# Altium PCB Standby_PS.PcbDoc (part 1 of 2)
Units mm, origin at the board's own origin, x right, y up, seen from the top; angles counter-clockwise.
Board outline 230 x 80 mm, 2 copper layers (Top Layer, Bottom Layer), stack 1.071 mm thick; 144 components, 68 nets, 334 pads, 84 vias.
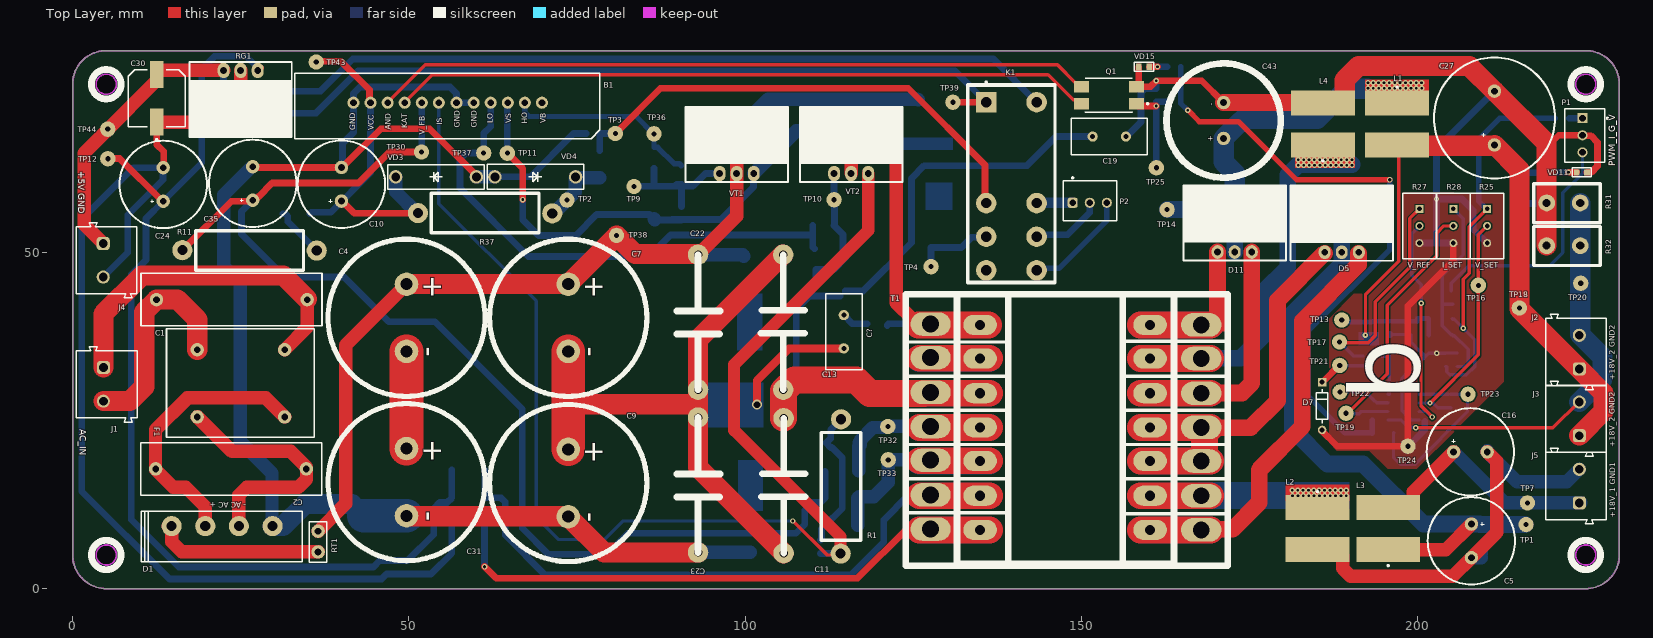
[diagram p0: Top Layer view]
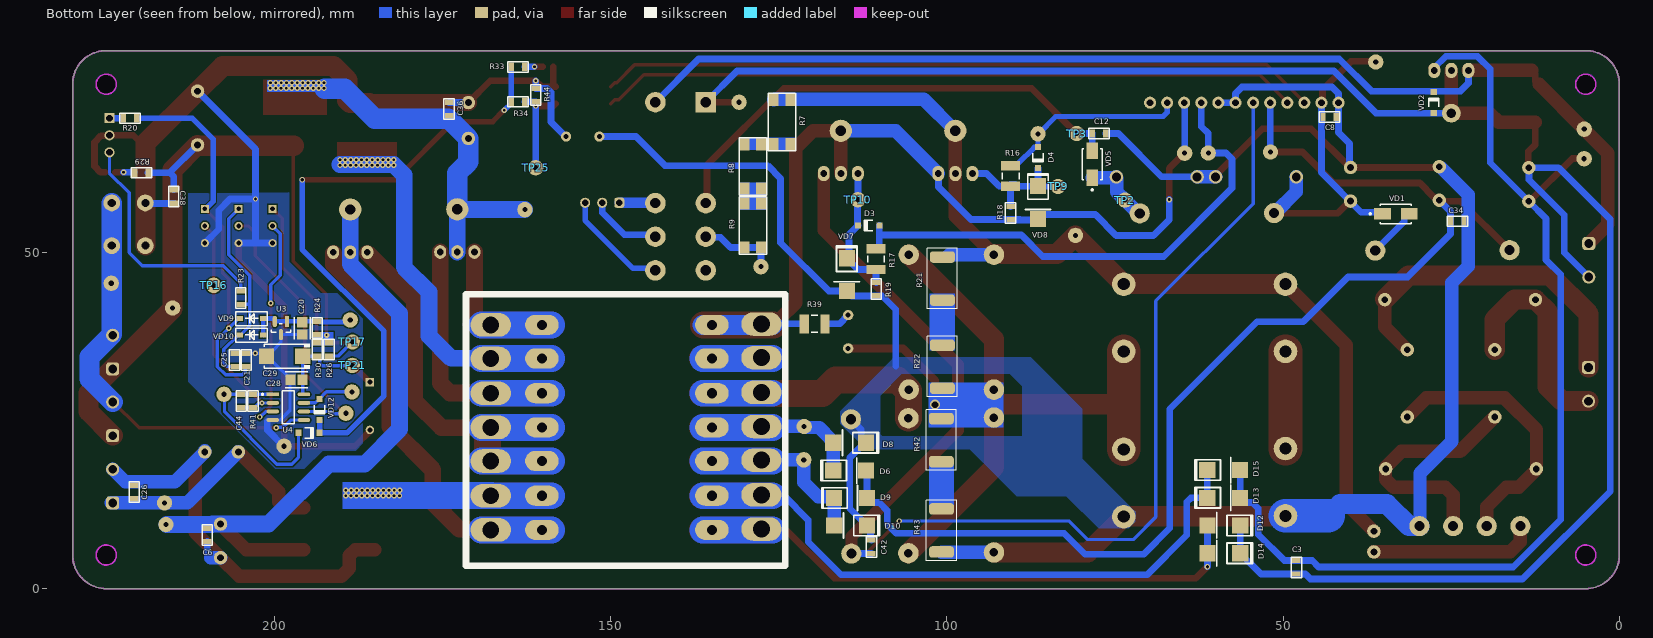
[diagram p1: Bottom Layer view, seen from below]
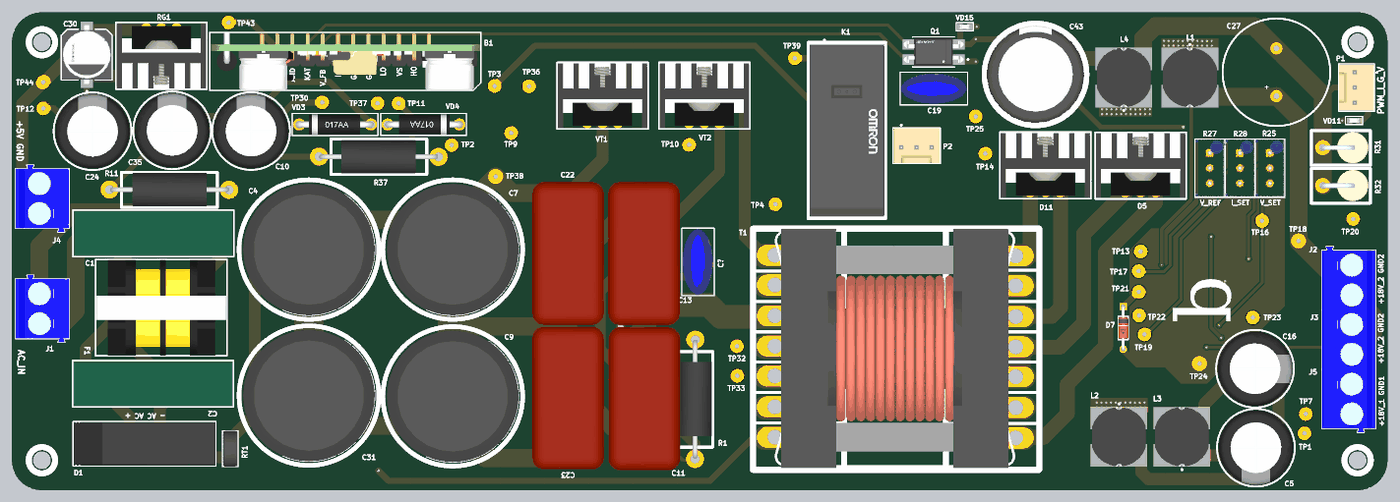
[diagram p3: 3D render of the assembled board from above, using the file's embedded part models]
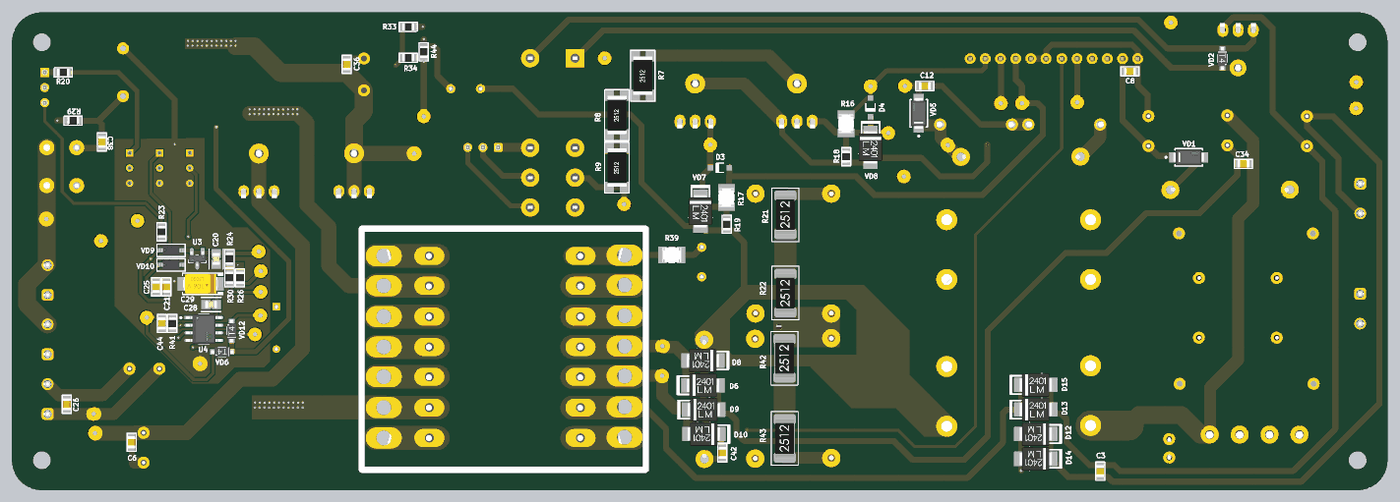
[diagram p4: 3D render of the assembled board from below, using the file's embedded part models]

## Layer stack, top to bottom
Top Solder: solder mask 0.0102, Solder Resist, Dk 3.5
Top Layer: signal copper 0.0356
Dielectric 1: dielectric 1, FR-4, Dk 4.8
Bottom Layer: signal copper 0.0356
Bottom Solder: solder mask 0.0102, Solder Resist, Dk 3.5

## Board outline
0,5 0,74.95 0,75 cw(c5,75) 5,80 225,80 cw(c225,75) 230,75 230,74.9 230,4.95 230,5 cw(c225,5) 225,0 5,0 cw(c5,5)
cut-out: 223.5,5 ccw(c225,5) 225,3.5 ccw(c225,5) 226.5,5 ccw(c225,5) 225,6.5 ccw(c225,5)
cut-out: 223.5,75 ccw(c225,75) 225,73.5 ccw(c225,75) 226.5,75 ccw(c225,75) 225,76.5 ccw(c225,75)
cut-out: 3.5,5 ccw(c5,5) 5,3.5 ccw(c5,5) 6.5,5 ccw(c5,5) 5,6.5 ccw(c5,5)
cut-out: 5,73.5 cw(c5,75) 3.5,75 cw(c5,75) 5,76.5 cw(c5,75) 6.5,75 cw(c5,75)

## Design rules (kind name [scope] priority, off if disabled: settings)
Clearance Clearance_1 [All vs InNet('GND_1')] p1: gap=0.2 ignorepadtopadclearanceinfootprint=FALSE
Clearance [All vs InNet('GND')] p2: gap=0.4 ignorepadtopadclearanceinfootprint=FALSE except(0.2: Arc-Hole SMDPad-SMDPad SMDPad-THPad SMDPad-Via SMDPad-Fill SMDPad-Poly SMDPad-Region SMDPad-Text SMDPad-Hole THPad-THPad THPad-Via THPad-Fill THPad-Poly THPad-Region THPad-Text THPad-Hole Text-Text Text-Hole)
ComponentClearance [All] p1: gap=-3 collisioncheckmode=3 verticalgap=0.254 showdistances=FALSE
DiffPairsRouting [All] p1: maxlimit=0.254 minlimit=0.254 mostfreqgap=0.254 substack1={A23D90DD-733B-49C5-8102-56B3D284E3A0} toplayer_{a23d90dd-733b-49c5-8102-56b3d284e3a0}_minwidth=0.381 toplayer_{a23d90dd-733b-49c5-8102-56b3d284e3a0}_maxwidth=0.381 toplayer_{a23d90dd-733b-49c5-8102-56b3d284e3a0}_prefwidth=0.381 bottomlayer_{a23d90dd-733b-49c5-8102-56b3d284e3a0}_minwidth=0.381 bottomlayer_{a23d90dd-733b-49c5-8102-56b3d284e3a0}_maxwidth=0.381 bottomlayer_{a23d90dd-733b-49c5-8102-56b3d284e3a0}_prefwidth=0.381 toplayer_minwidth=0.381 toplayer_maxwidth=0.381 toplayer_prefwidth=0.381 bottomlayer_minwidth=0.381 bottomlayer_maxwidth=0.381 bottomlayer_prefwidth=0.381 substack2={0B3DB408-A969-412D-8C07-BA8AE97219D9} toplayer_{0b3db408-a969-412d-8c07-ba8ae97219d9}_minwidth=0.381 toplayer_{0b3db408-a969-412d-8c07-ba8ae97219d9}_maxwidth=0.381 toplayer_{0b3db408-a969-412d-8c07-ba8ae97219d9}_prefwidth=0.381 bottomlayer_{0b3db408-a969-412d-8c07-ba8ae97219d9}_minwidth=0.381 bottomlayer_{0b3db408-a969-412d-8c07-ba8ae97219d9}_maxwidth=0.381 bottomlayer_{0b3db408-a969-412d-8c07-ba8ae97219d9}_prefwidth=0.381 substack3={378827E6-B38F-4565-9D2F-710D8D441C30} toplayer_{378827e6-b38f-4565-9d2f-710d8d441c30}_minwidth=0.381 toplayer_{378827e6-b38f-4565-9d2f-710d8d441c30}_maxwidth=0.381 toplayer_{378827e6-b38f-4565-9d2f-710d8d441c30}_prefwidth=0.381 bottomlayer_{378827e6-b38f-4565-9d2f-710d8d441c30}_minwidth=0.381 bottomlayer_{378827e6-b38f-4565-9d2f-710d8d441c30}_maxwidth=0.381 bottomlayer_{378827e6-b38f-4565-9d2f-710d8d441c30}_prefwidth=0.381 substack4={1E65D4A7-266F-4925-B814-5E9C4A66F8EE} toplayer_{1e65d4a7-266f-4925-b814-5e9c4a66f8ee}_minwidth=0.381 toplayer_{1e65d4a7-266f-4925-b814-5e9c4a66f8ee}_maxwidth=0.381 toplayer_{1e65d4a7-266f-4925-b814-5e9c4a66f8ee}_prefwidth=0.381 bottomlayer_{1e65d4a7-266f-4925-b814-5e9c4a66f8ee}_minwidth=0.381 bottomlayer_{1e65d4a7-266f-4925-b814-5e9c4a66f8ee}_maxwidth=0.381 bottomlayer_{1e65d4a7-266f-4925-b814-5e9c4a66f8ee}_prefwidth=0.381 substack5={93C5D03E-862D-45F8-9871-970EEA9B3F11} toplayer_{93c5d03e-862d-45f8-9871-970eea9b3f11}_minwidth=0.381 toplayer_{93c5d03e-862d-45f8-9871-970eea9b3f11}_maxwidth=0.381 toplayer_{93c5d03e-862d-45f8-9871-970eea9b3f11}_prefwidth=0.381 bottomlayer_{93c5d03e-862d-45f8-9871-970eea9b3f11}_minwidth=0.381 bottomlayer_{93c5d03e-862d-45f8-9871-970eea9b3f11}_maxwidth=0.381 bottomlayer_{93c5d03e-862d-45f8-9871-970eea9b3f11}_prefwidth=0.381 maxuncoupledlength=12.7
Height [All] p1: minheight=0 maxheight=50 prefheight=33
HoleSize [All] p1: absolutevalues=TRUE maxlimit=6 minlimit=0.01 maxpercent=80.000 minpercent=20.000
HoleToHoleClearance [All] p1: gap=0.1 allowstackedmicrovias=TRUE
MinimumSolderMaskSliver [All] p1: minsoldermaskwidth=0.1
PlaneClearance [All] p1: clearance=0.7
PlaneConnect [All] p1: planeconnectstyle=Direct reliefexpansion=0.5 reliefentries=4 reliefconductorwidth=0.5 reliefairgap=0.15
PolygonConnect VQFN20 [HasFootprint('VQFN20')] p1: connectstyle=Direct reliefconductorwidth=0.254 reliefentries=4 polygonreliefangle="90 Angle" airgapwidth=0.254
PolygonConnect [All] p2: connectstyle=Direct reliefconductorwidth=0.3 reliefentries=4 polygonreliefangle="90 Angle" airgapwidth=0.15
RoutingVias [All] p1: holewidth=0.1 width=0.1 viastyle="Through Hole" minholewidth=0 minwidth=0.3 maxholewidth=2 maxwidth=4
ShortCircuit [All] p1: allowed=TRUE
SilkToSolderMaskClearance [IsPad] p1: minsilkscreentomaskgap=0.1 clearancetoexposedcopper=TRUE
SolderMaskExpansion SolderMaskExpansion_Via [IsVia] p1: expansion=0.102 istentingtop=TRUE
SolderMaskExpansion [All] p2: expansion=0.01 istentingtop=FALSE
UnRoutedNet [All] p1: checkbadconnections=TRUE
Width [All] p1: maxlimit=5 minlimit=0.2 preferedwidth=0.3 substack1={A23D90DD-733B-49C5-8102-56B3D284E3A0} substack2={0B3DB408-A969-412D-8C07-BA8AE97219D9} substack3={378827E6-B38F-4565-9D2F-710D8D441C30} substack4={1E65D4A7-266F-4925-B814-5E9C4A66F8EE} substack5={93C5D03E-862D-45F8-9871-970EEA9B3F11}
19 further rules are at their usual default settings.

## Components (designator, comment, footprint, x,y, rotation, side; value= is the part's Value field where it differs from the comment)
B1 "PWM_Controller_Half_Bridge" PWM_Controller_Half_Bridge 56.991,74.65 r0 top locked
C1 "CAP-NON-POLAR" CAP-V15 23.675,42.975 r180 top
C2 "CAP-NON-POLAR" CAP-V15 23.55,17.8 r0 top
C3 "1uF_50V" CAP-0805 48.025,3.175 r270 bottom
C4 "CAP-POLAR" "CAP 100uF_500V 22x40mm" 49.65,40.275 r270 top locked
C5 "1000uF_50V" CAPPOL-12x25 208,7.1 r270 top locked
C6 "0.1uF" CAP-0805 209.993,8 r90 bottom
C7 "CAP-POLAR" "CAP 100uF_500V 22x40mm" 73.7,40.275 r270 top
C8 "1uF_50V" CAP-0805 43.075,70.125 r180 bottom
C9 "CAP-POLAR" "CAP 100uF_500V 22x40mm" 73.7,15.7 r270 top
C10 "CAP-POLAR" CAPPOL-12x25 39.975,60.125 r90 top
C11 "CAP-NON-POLAR" CAP_3.3uF_630V 105.725,15.304 r270 top
C12 "1uF 50V" CAP-0805 77.375,67.675 r0 bottom
C13 "CAP-NON-POLAR" CAP_3.3uF_630V 105.667,39.625 r270 top locked
C16 "2200uF_25V" CAPPOL-12x25 207.85,20.325 r0 top locked
C19 "" CAP-V 154.15,67.225 r0 top
C20 "50V 1uF" FP-C0805C-DN-IPC_A 195.864,38.702 r90 bottom locked value="0.22 μF"
C21 "0.1uF" CAP-0805 204.186,34.027 r270 bottom locked
C22 "CAP-NON-POLAR" CAP_3.3uF_630V 93,39.625 r90 top
C23 "CAP-NON-POLAR" CAP_3.3uF_630V 93,15.408 r90 top
C24 "1000uF_50V" CAPPOL-12x25 13.475,60.1 r90 top locked
C25 "0.1uF" CAP-0805 205.914,34.028 r270 bottom locked
C26 "0.1uF" CAP-0805 220.825,14.375 r270 bottom
C27 "2200uF_25V" CAPPOL-18x40 211.425,69.975 r90 top locked
C28 "50V 1uF" FP-C0805C-DN-IPC_A 196.694,31.077 r0 bottom locked value="0.22 μF"
C29 "CAP-POLAR" CAP-TAN-C 198.469,34.552 r0 bottom locked
C30 "EEE-1HA101UP" FP-SF-MFG 12.5,72.925 r90 top value=100uF
C31 "CAP-POLAR" "CAP 100uF_500V 22x40mm" 49.65,15.825 r270 top
C34 "1uF_50V" CAP-0805 24.1,54.63 r180 bottom
C35 "1000uF_50V" CAPPOL-12x25 26.775,60.25 r90 top locked
C36 "1uF 50V" CAP-0805 174.025,71.3 r270 bottom
C38 "1uF 50V" CAP-0805 214.95,58.3 r90 bottom
C42 "470pF 16V" CAP-0805 111.225,6.225 r270 bottom
C43 "1000uF_50V" CAP_50V_2200uF 171.15,69.608 r90 top locked
C44 "0.1uF" CAP-0805 204.941,27.909 r270 bottom locked
C? "CAP-V" CAP-V 114.675,38.2 r270 top
D1 "RS40X" RS40X 22.225,7.8 r180 top locked
D3 "1N4148W-7-F" DIOD-SOD123-2_V#1 111.625,54 r0 bottom
D4 "1N4148W-7-F" DIOD-SOD123-2_V#1 86.449,64.1 r270 bottom
D5 "U1620G" TO-220_Bended_Rad#1 189.225,53.075 r0 top
D6 "US1G" DO-214AA 112.4,17.55 r0 bottom
D7 "5,6V" FP-SB-V-3906_04-031_4-MFG 185.8,27.15 r270 top
D8 "US1G" DO-214AA 116.525,21.7 r180 bottom
D9 "US1G" DO-214AA 112.275,13.475 r0 bottom
D10 "US1G" DO-214AA 116.375,9.375 r180 bottom
D11 "U1620G" TO-220_Bended_Rad#1 173.308,53.098 r0 top
D12 "US1G" DO-214AA 60.875,9.4 r180 bottom
D13 "US1G" DO-214AA 56.775,13.5 r0 bottom
D14 "US1G" DO-214AA 60.875,5.25 r180 bottom
D15 "US1G" DO-214AA 56.775,17.625 r0 bottom
F1 "FILTER" FILTER_1 25.025,30.525 r0 top
J1 "691101710002" 691101710002 5.075,30.375 r270 top
J2 "" 691101710002 223.541,35.175 r90 top
J3 "691101710002" 691101710002 223.541,25.25 r90 top
J4 "691101710002" 691101710002 5.05,48.825 r270 top
J5 "691101710002" 691101710002 223.541,15.25 r90 top locked
K1 "" Relay_F1CA005V_Omron 139.6,60.225 r270 top
L1 "1.2µH, 7.4A" WE-PD2_1054 196.95,69.1 r270 top
L2 "1.2µH, 7.4A" WE-PD2_1054 185.1,8.925 r270 top
L3 "1.2µH, 7.4A" WE-PD2_1054 195.625,8.925 r90 top
L4 "1.2µH, 7.4A" WE-PD2_1054 185.9,69.1 r90 top
P1 "61900311121" 61900311121#1 224.825,67.41 r90 top
P2 "61900311121" 61900311121#2 151.25,57.675 r180 top
Q1 "PC817XNNIP0F" FP-PC817XNNIP0F-MFG 154.1,73.375 r180 top
R1 "1.1 Ohm" RES-2W 114.232,15.309 r270 top
R7 "3K" RES-2512 124.525,69.4 r90 bottom
R8 "3K" RES-2512 128.85,62.8 r90 bottom
R9 "3K" RES-2512 128.85,54 r90 bottom
R11 "100 Ohm" RES-2W 26.425,50.3 r180 top
R16 "10" RES_SMD_1210_IPC_A 90.525,61.35 r270 bottom
R17 "10" RES_SMD_1210_IPC_A 110.55,49 r270 bottom
R18 "1K" RES-0805 90.525,55.825 r270 bottom
R19 "1K" RES-0805 110.5,44.525 r270 bottom
R20 "1k" RES-0805 221.45,69.95 r180 bottom
R21 "*" R-2512 100.675,46.1 r90 bottom
R22 "*" R-2512 100.675,33 r90 bottom
R23 "1K" RES-0805 204.994,43.25 r270 bottom
R24 "10K" RES-0805 193.633,38.777 r270 bottom locked
R25 "3296W-1-202LF" Bourns_3296W_MFG 210.337,53.925 r180 top locked
R26 "10K" RES-0805 191.869,35.552 r90 bottom locked
R27 "3296W-1-202LF" Bourns_3296W_MFG 200.282,53.925 r180 top locked
R28 "3296W-1-202LF" Bourns_3296W_MFG 205.322,53.925 r180 top locked
R29 "2.7K" RES-0805 219.775,61.85 r180 bottom
R30 "1k" RES-0805 193.633,35.552 r90 bottom locked
R31 "1.1 Ohm***" RES-2W_2 224.184,57.351 r0 top locked
R32 "1.1 Ohm***" RES-2W_2 224.184,51.001 r0 top locked
R33 "1K" RES-0805 163.75,77.573 r0 bottom
R34 "1K" RES-0805 163.75,72.4 r180 bottom
R37 "100 Ohm" RES-2W 61.225,55.825 r0 top locked
R39 "RES_1210" RES_SMD_1210_IPC_A 119.674,39.371 r180 bottom
R41 "1K" RES-0805 203.191,27.909 r270 bottom locked
R42 "*" R-2512 100.825,22.075 r90 bottom
R43 "*" R-2512 100.799,8.654 r90 bottom
R44 "5.1K" RES-0805 161.15,73.375 r270 bottom
RG1 "" TO-220_Bended_Rad#2 24.477,74.002 r180 top
RT1 "RES-TEMP" RES-V5 36.5,6.95 r270 top
T1 "ETD34" Transformer_ETD34 147.641,23.719 r0 top
TP1 "Test_Point_PCB" Test_Point 216.125,9.524 r0 top
TP2 "Test_Point_PCB" Test_Point 73.517,57.776 r180 bottom
TP3 "Test_Point_PCB" Test_Point 80.7,67.675 r180 bottom
TP4 "Test_Point_PCB" Test_Point 127.65,47.875 r90 top
TP7 "Test_Point_PCB" Test_Point 216.328,12.75 r0 top
TP9 "" Test_Point 83.475,59.799 r180 bottom
TP10 "" Test_Point 113.227,57.825 r90 bottom
TP11 "" Test_Point 64.647,64.756 r90 top
TP12 "" Test_Point 5.239,63.925 r90 top
TP13 "Test_Point_PCB" Test_Point 188.725,39.952 r90 top
TP14 "Test_Point_PCB" Test_Point 162.75,56.35 r270 top
TP16 "Test_Point_PCB" Test_Point 209.025,45.1 r90 bottom
TP17 "Test_Point_PCB" Test_Point 188.389,36.677 r90 bottom locked
TP18 "Test_Point_PCB" Test_Point 215.125,41.725 r270 top
TP19 "Test_Point_PCB" Test_Point 189.365,26.07 r90 top
TP20 "Test_Point_PCB" Test_Point 224.25,45.403 r90 top
TP21 "Test_Point_PCB" Test_Point 188.414,33.189 r90 bottom
TP22 "Test_Point_PCB" Test_Point 188.464,29.25 r90 top
TP23 "Test_Point_PCB" Test_Point 207.489,28.895 r90 top locked
TP24 "Test_Point_PCB" Test_Point 198.55,21.175 r90 top
TP25 "Test_Point_PCB" Test_Point 161.149,62.575 r90 bottom
TP30 "" Test_Point 51.875,64.925 r90 top
TP32 "" Test_Point 121.225,24.1 r90 top
TP33 "" Test_Point 121.275,19.15 r90 top
TP36 "" Test_Point 86.448,67.625 r90 top
TP37 "" Test_Point 61.125,64.778 r90 top
TP38 "" Test_Point 80.875,52.525 r90 top
TP39 "" Test_Point 130.9,72.325 r90 top
TP43 "" Test_Point 36.225,78.3 r0 top
TP44 "" Test_Point 5.225,68.325 r90 top
U3 "" TL431_SOT-23-3(A) 199.019,38.752 r270 bottom locked
U4 "LM358DR2G" FP-751-07-IPC_C 197.919,26.977 r180 bottom locked
VD1 "US1G" US1G_SMA 33.241,55.729 r180 bottom
VD2 "" DIOD-SOD123-2_V#2 27.6,72.3 r90 bottom
VD3 "ZENER" DO-017AA 54.041,61.225 r0 top
VD4 "ZENER" DO-017AA 68.791,61.225 r180 top
VD5 "US1G" US1G_SMA 78.391,63.101 r90 bottom
VD6 "" DIOD-SOD123-2_V#2 194.839,23.152 r180 bottom locked
VD7 "SMBJ15A" DO-214AA 114.878,44.63 r90 bottom
VD8 "SMBJ15A" DO-214AA 86.45,55.35 r90 bottom
VD9 "DIODE" SOD-123 203.394,40.177 r180 bottom locked
VD10 "DIODE" SOD-123 203.394,37.727 r180 bottom locked
VD11 "LED" LED-0603 224.425,61.9 r180 top
VD12 "" DIOD-SOD123-2_V#2 193.283,26.652 r270 bottom locked
VD15 "LED" LED-0603 159.3,77.6 r0 top
VT1 "" TO-220_Bended_Rad#3 99.25,64.775 r0 top
VT2 "" TO-220_Bended_Rad#3 116.275,64.775 r0 top

## Footprints (in the part's own frame and the unit in brackets; to place one, negate y for a bottom-side part, rotate by r counter-clockwise, add the part's x,y. Pads: shape width x height; smd on the part's side, far side on the other; paste and mask are expansions set on the pad)
61900311121#1 [mm] "2.54mm Male Locking Header, 3p"
  rect 1.5x1.5 hole 1: 1(2.54,0.3)
  round 1.5 hole 1: 2(0,0.3) 3(-2.54,0.3)
  silkscreen extent -3.98,-3.52 3.98,2.98, body extent -3.81,-2.9 3.81,2.9, height 11.53
61900311121#2 [mm] "2.54mm Male Locking Header, 3p"
  rrect50% 1.5x1.5 hole 1: 1(2.54,0.3)
  round 1.5 hole 1: 2(0,0.3) 3(-2.54,0.3)
  silkscreen extent -3.98,-3.52 3.98,2.98, body extent -3.81,-2.9 3.81,2.9, height 11.53
691101710002 [mm] "5,00mm - modular - blue - Horizontal entry with pressure clamp - 12,6mm height - 02p"
  rrect50% 1.95x1.95 hole 1.3: 1(-2.5,-0.5)
  round 1.95 hole 1.3: 2(2.5,-0.5)
  silkscreen extent -5.6,-4.5 5.6,4.5, body extent -5.6,-4.5 5.6,4.5, height 12.65
Bourns_3296W_MFG [mm]
  rect 1.2x1.2 hole 0.7 paste-2539.97 mask+0: 1(0.005,-2.54)
  round 1.2 hole 0.7 paste-2539.97 mask+0: 2(0.005,0) 3(0.005,2.54)
  silkscreen extent -2.48,-4.89 2.48,4.89, body extent -2.58,-4.99 2.58,4.99, height 0.25
"CAP 100uF_500V 22x40mm" [mm]
  round 3.5 hole 1.8: 1(-5,0) 2(5,0)
  silkscreen extent -11.68,-11.68 11.68,11.68, body extent -11,-11 11.1,11.1, height 31.53
CAP-0805 [mm]
  rect 0.8x1.25 smd mask+0.015: 1(-1,0) 2(1,0)
  silkscreen extent -1.52,-0.76 1.52,0.76, body extent -1,-0.62 1,0.63, height 0.8
CAP-TAN-C [mm]
  rect 2.3x2.3 smd: 1(-2.7,0) 2(2.7,0)
  silkscreen extent -3.8,-1.9 3,1.9, body extent -2.9,-1.6 2.9,1.6, height 2.6
CAP-V [mil]
  round 60 hole 30: 1(-97.44,0) 2(97.44,0)
  silkscreen extent -222,-106 221,108, body extent -216,-98 216,98, height 610
CAP-V15 [mm]
  round 2 hole 1: 1(-11.2,0) 2(11.2,0)
  silkscreen extent -13.4,-3.9 13.5,3.9, body extent -13.2,-3.72 13.3,3.7, height 17
CAP_3.3uF_630V [mil]
  round 120 hole 50: 1(-395,0) 2(395,0)
  silkscreen extent -395,-130 395,125, body extent -472,-236 472,236, height 804
CAP_50V_2200uF [mm]
  round 2 hole 1: 1(-2.667,0) 2(2.667,0)
  silkscreen extent -8.5,-8.5 8.5,8.5, body extent -8.15,-8.15 8.16,8.16, height 35.67
CAPPOL-12x25 [mm]
  round 2 hole 1: 1(-2.5,0) 2(2.5,0)
  silkscreen extent -6.5,-6.5 6.5,6.5, body extent -6.25,-6.25 6.25,6.25, height 25
CAPPOL-18x40 [mm]
  round 2 hole 1: 1(-4,0) 2(4,0)
  silkscreen extent -9,-9 9,9, body extent -9,-9 9.01,9.01, height 40
DIOD-SOD123-2_V#1 [mm] "SOD123, 2-Leads, Body 2.7x1.55mm, Height 1.45mm"
  rect 0.9x0.95 smd: 1(-1.575,0) 2(1.575,0)
  silkscreen extent -0.64,-0.82 0.64,0.77, body extent -1.35,-0.77 1.35,0.77, height 1.45
DIOD-SOD123-2_V#2 [mm] "SOD123, 2-Leads, Body 2.7x1.55mm, Height 1.45mm"
  rect 0.9x0.95 smd: 1(1.575,0) 2(-1.575,0)
  silkscreen extent -0.64,-0.83 0.64,0.77, body extent -1.88,-0.8 1.88,0.8, height 1.3
DO-017AA [mm]
  round 2 hole 1.3: 1(-6,0) 2(6,0)
  silkscreen extent -7.2,-1.85 7.15,1.83, body extent -6.63,-1.7 6.37,1.7, height 3.4
DO-214AA [mm]
  rect 2.4x2.4 smd: 1(-0.381,0) 2(4.5,0)
  silkscreen extent 1.02,-1.9 6.35,1.91, body extent -0.75,-1.97 4.85,1.97, height 2.65
FILTER_1 [mm]
  round 2 hole 1: 1(-6.5,5) 2(6.5,5) 3(6.5,-5) 4(-6.5,-5)
  silkscreen extent -11.05,-8.03 10.92,8.1, body extent -10.95,-8 10.85,8, height 24.48
FP-751-07-IPC_C [mm]
  rect 1.874x0.543 smd paste+0 mask+0: 1(-2.316,1.905)
  rrect100% 1.874x0.543 smd paste+0 mask+0: 2(-2.316,0.635) 3(-2.316,-0.635) 4(-2.316,-1.905) 5(2.316,-1.905) 6(2.316,-0.635) 7(2.316,0.635) 8(2.316,1.905)
  silkscreen extent -3.98,-2.45 0.88,2.45, body extent -3,-2.45 3,2.45, height 1.75
FP-C0805C-DN-IPC_A [mm]
  rect 1.505x1.556 smd paste+0 mask+0: 1(-0.901,0) 2(0.901,0)
  silkscreen extent -1.65,-1.18 1.65,1.18, body extent -1,-0.63 1,0.63, height 0.88
FP-PC817XNNIP0F-MFG [mm]
  rect 2.2x1.7 smd paste+0 mask+0: 1(-4.1,1.27) 2(-4.1,-1.27) 3(4.1,-1.27) 4(4.1,1.27)
  silkscreen extent -5.88,-2.54 3.5,2.54, body extent -5.3,-2.64 5.3,2.64, height 0.25
FP-SB-V-3906_04-031_4-MFG [mm]
  rect 1.25x1.25 hole 0.75 paste-2539.97 mask+0: 1(-3.55,0)
  round 1.25 hole 0.75 paste-2539.97 mask+0: 2(3.55,0)
  silkscreen extent -2.52,-0.85 2.52,0.85, body extent -4.28,-0.95 4.28,0.95, height 0.25
FP-SF-MFG [mm]
  rect 4x2 smd paste+0 mask+0: 1(-3.55,0) 2(3.55,0)
  silkscreen extent -6.27,-4.25 4.25,4.25, body extent -5.8,-4.5 5.8,4.5, height 0.25
LED-0603 [mm]
  rect 0.85x0.9 smd: 1(-0.775,0) 2(0.775,0)
  silkscreen extent -1.43,-0.67 1.45,0.67, body extent -0.82,-0.36 0.83,0.36, height 0.68
PWM_Controller_Half_Bridge [mm]
  round 1.8 hole 1: 1(12.8,-2.4) 2(10.26,-2.4) 3(7.72,-2.4) 4(5.18,-2.4) 5(2.64,-2.4) 6(0.1,-2.4) 7(-2.53,-2.4) 8(-5.07,-2.4) 9(-7.61,-2.4) 10(-10.15,-2.4) 11(-12.69,-2.4) 12(-15.23,-2.4)
  silkscreen extent -23.92,-7.73 21.4,2, body extent -23.7,-7.59 21.3,1.91, height 45
R-2512 [mm]
  rrect50% 1.7x3.7 smd: 1(-3.2,0) 2(3.2,0)
  silkscreen extent -4.5,-2.25 4.5,2.25, body extent -3.16,-1.6 3.16,1.6, height 0.62
Relay_F1CA005V_Omron [mil]
  rect 120x120 hole 60 paste-99999 mask+0: 1(-476.38,-147.64)
  round 120 hole 60 paste-99999 mask+0: 2(114.17,-147.64) 3(311.02,-147.64) 4(507.87,-147.64) 5(507.87,147.64) 6(311.02,147.64) 7(114.17,147.64) 8(-476.38,147.64)
  silkscreen extent -599,-255 580,255, body extent -575,-254 575,254, height 10
RES-2W [mm]
  round 3 hole 1.5: 1(-9.875,0.025) 2(10.1,-0.025)
  silkscreen extent -7.9,-2.93 8.13,2.95, body extent -9.86,-2.79 10.01,2.79, height 5.59
RES-2W_2 [mm]
  round 2.5 hole 1.2: 1(-5,0) 2(0,0)
  silkscreen extent -6.93,-2.95 2.95,2.85, body extent -5.4,-2.6 2.6,2.6, height 21.6
RES-0805 [mm]
  rect 0.8x1.25 smd mask+0.015: 1(-1,0) 2(1,0)
  silkscreen extent -1.52,-0.76 1.52,0.76, body extent -1,-0.62 1,0.63, height 0.6
RES-2512 [mm]
  rect 1.8x1.45 smd: 1(-3.275,-1.225) 1(-3.275,1.225) 2(3.275,-1.225) 2(3.275,1.225)
  silkscreen extent -4.28,-2.05 4.25,2.05, body extent -3.2,-1.6 3.2,1.6, height 0.6
RES-V5 [mm]
  round 2 hole 1: 1(-1.6,0) 2(1.5,0)
  silkscreen extent -3,-1.3 3,1.3, body extent -3,-1.25 3,1.25, height 14
RES_SMD_1210_IPC_A [mm]
  rect 1.405x2.806 smd paste+0 mask+0: 1(-1.551,0) 2(1.551,0)
  silkscreen extent -0.47,-1.25 0.47,1.25, body extent -1.6,-1.25 1.6,1.25, height 0.6
RS40X [mm]
  round 3 hole 1.5: 1(-7.5,-1.5) 2(-2.5,-1.5) 3(2.5,-1.5) 4(7.5,-1.5)
  silkscreen extent -11.9,-3.7 12,3.8, body extent -11.81,-3.55 11.81,3.55, height 19.76
SOD-123 [mm]
  rect 1x0.7 smd: 1(-1.75,0) 2(1.75,0)
  silkscreen extent -2.37,-1.08 2.35,1.02, body extent -1.98,-0.85 1.98,0.85, height 1.45
Test_Point [mil]
  round 90 hole 30 paste-99999 mask+4: 1(0,0)
TL431_SOT-23-3(A) [mm]
  rect 1.659x0.627 smd paste+0 mask+0: 1(-0.977,0.915)
  rrect100% 1.659x0.627 smd paste+0 mask+0: 2(-0.977,-0.915) 3(0.977,0)
  silkscreen extent -0.65,-1.45 0.65,1.45, body extent -1.2,-1.45 1.2,1.45, height 1.1
TO-220_Bended_Rad#1 [mil]
  oval 70x80 hole 40: 1(-120,-120) 2(-20,-120) 3(80,-120)
  round 130 hole 60: 2(-20,130)
  silkscreen extent -320,-170 280,270, body extent -315,-165 275,265, height 997
TO-220_Bended_Rad#2 [mil]
  oval 70x90 hole 40: 1(-120,-120) 2(-20,-120) 3(80,-120)
  round 110 hole 55: 2(-20,130)
  silkscreen extent -320,-170 280,270, body extent -315,-165 275,265, height 997
TO-220_Bended_Rad#3 [mil]
  oval 70x90 hole 40: 1(-120,-120) 2(-20,-120) 3(80,-120)
  round 130 hole 60: 2(-20,130)
  silkscreen extent -320,-170 280,270, body extent -315,-165 275,265, height 997
Transformer_ETD34 [mm]
  oval 6x3.5 hole 2.5: 1(-20.066,15.621) 2(-20.066,10.627) 3(-20.066,5.461) 4(-20.066,0.381) 5(-20.066,-4.613) 6(-20.066,-9.779) 7(-20.066,-14.859) 8(20.193,-14.986) 9(20.193,-9.906) 10(20.193,-4.74) 11(20.193,0.254) 12(20.193,5.334) 13(20.193,10.5) 14(20.193,15.494)
  oval 5x3 hole 1.524: 1(-12.7,15.494) 2(-12.7,10.5) 3(-12.7,5.334) 4(-12.7,0.254) 5(-12.7,-4.74) 6(-12.7,-9.906) 7(-12.7,-14.986) 8(12.573,-14.986) 9(12.573,-9.906) 10(12.573,-4.74) 11(12.573,0.254) 12(12.573,5.334) 13(12.573,10.5) 14(12.573,15.494)
  Top Layer lines w4: -21.844,15.494 -21.443,15.494 -20.066,15.494 -12.7,15.494 -11.447,15.494 ; -21.717,-14.986 -21.443,-14.986 -20.066,-14.986 -12.7,-14.986 -11.32,-14.986 ; -21.717,-9.906 -20.066,-9.906 -12.7,-9.906 -11.32,-9.906 ; -21.717,-4.699 -20.066,-4.699 -12.7,-4.699 -11.32,-4.699 ; -21.717,0.254 -20.066,0.254 -12.7,0.254 -11.32,0.254 ; -21.717,5.334 -20.066,5.334 -12.7,5.334 -11.32,5.334 ; -21.717,10.541 -11.32,10.541 ; 11.176,-14.986 12.573,-14.986 20.193,-14.986 21.573,-14.986 ; 11.176,-9.906 21.573,-9.906 ; 11.176,-4.74 12.573,-4.74 20.193,-4.74 20.409,-4.74 21.573,-4.74 ; 11.176,0.254 19.312,0.254 21.573,0.254 ; 11.176,5.334 12.573,5.334 20.193,5.334 21.573,5.334 ; 11.176,10.5 12.573,10.5 20.193,10.5 21.573,10.5 ; 11.176,15.494 12.573,15.494 20.193,15.494 21.037,15.494 21.573,15.494
  Bottom Layer lines w3: -21.734,15.494 -20.193,15.494 -20.066,15.494 -12.7,15.494 -11.337,15.494
  Bottom Layer lines w4: -21.734,-14.986 -20.066,-14.986 -12.7,-14.986 -11.337,-14.986 ; -21.734,-9.906 -21.443,-9.906 -20.767,-9.906 -20.193,-9.906 -20.066,-9.906 -12.7,-9.906 -11.337,-9.906 ; -21.734,-4.74 -20.066,-4.74 -12.7,-4.74 -11.337,-4.74 ; -21.734,0.254 -20.066,0.254 -12.7,0.254 -11.337,0.254 ; -21.734,5.334 -20.066,5.334 -12.7,5.334 -11.337,5.334 ; -21.734,10.5 -11.337,10.5 ; 11.159,-14.986 12.573,-14.986 20.193,-14.986 21.556,-14.986 ; 11.159,-9.906 21.556,-9.906 ; 11.159,-4.74 12.573,-4.74 20.193,-4.74 21.556,-4.74 ; 11.159,0.254 21.556,0.254 ; 11.159,5.334 12.573,5.334 20.193,5.334 21.556,5.334 ; 11.159,10.5 12.573,10.5 20.193,10.5 21.443,10.5 21.556,10.5 ; 11.159,15.494 12.573,15.494 20.193,15.494 21.556,15.494
  silkscreen extent -23.75,-20.32 24.13,20.07, body extent -20.11,-20 20.11,20, height 34.58
US1G_SMA [mm]
  rect 2.5x1.7 smd paste+0 mask+0: 1(-2,0) 2(2,0)
  silkscreen extent -3.93,-1.46 2.3,1.46, body extent -2.6,-1.3 2.6,1.3, height 2.4
WE-PD2_1054 [mm] "SMD Power Inductor, 2-Leads, body 10x9mm"
  rect 3.75x9.5 smd: 1(-3.125,0) 2(3.125,0)
  silkscreen extent -5.62,-0.12 -5.38,0.13, body extent -5.04,-4.5 5.04,4.5, height 5.43

## Part data
C3 C6 C8 C12 C21 C25 C26 C34 C36 C38 C42 C44: library part CAP-NON-POLAR
C5 C16 C27: library part CAP-POLAR
C19: library part CAP-V
C20 C28: library part CMP-1036-04552-2, "CAP CER 0.22UF 50V X7R 0805", Capacitance="0.22 μF", Manufacturer=KEMET, Manufacturer Part Number=C0805C224K5RACTU, Package=C0805C-DN, Temperature="-55°C to +125°C", Temperature Characteristic=X7R, Temperature Coefficient=30ppm/°C, Temperature Range High=+125°C, Temperature Range Low=-55°C, Tolerance=0.1, Voltage Rating="50 V", Automotive=No, Category=Cap, ComponentLink2Description=Datasheet, ComponentLink2URL=https://content.kemet.com/datasheets/KEM_C1003_C0G_SMD.pdf, Device Class L1="Passive Components", Device Class L2=Capacitors, Device Class L3="Ceramic Capacitors", Digikey Description="CAP CER 0.22UF 50V X7R 0805", Height=0.88mm, Ipc Land Pattern Name=CAPC200125X78, Lead Free=Yes, Material=Ceramic, Mouser Description="CAP CER 0.22UF 50V X7R 0805", Octopart=https://octopart.com/c0805c224k5ractu-kemet-144670, RoHS=TRUE
C24 C35: library part CAP-POLAR, "1000uF_50V  12x25(13x26mm)"
C30: library part CMP-05427-000015-1, "CAP ALUM 100UF 20% 50V SMD", Capacitance=100uF, Leakage Current=100uA, Manufacturer=Panasonic, Package=SF, Ripple Current=200mA, Temperature="-40°C to +85°C", Temperature Range High=+85°C, Temperature Range Low=-40°C, Tolerance=20%, Voltage=50V, Automotive=Yes, Automotive Grade="Grade 3", Category=Cap, ComponentLink2Description=Datasheet, ComponentLink2URL=https://industrial.panasonic.com/cdbs/www-data/pdf/RDE0000/ABA0000C1145.pdf, Device Class L1="Passive Components", Device Class L2=Capacitors, Device Class L3="Aluminum Electrolytic Capacitors", Digikey Description="CAP ALUM 100UF 20% 50V SMD", Dissipation Factor=0.12%, Height=10.5mm, Lead Free=Yes, Life=2000Hours, Manufacturer Part Number=EEE-1HA101UP, Material=Aluminum, Mouser Description="Cap Aluminum Lytic 100uF 50V 20% (8 X 10.2mm) SMD 200mA 2000h 85C Automotive T/R", Octopart=https://octopart.com/eee-1ha101up-panasonic-55396734, RoHS=TRUE, Voltage Rating=50V
C43: library part CAP_polar_Hitano
D3 D4 VD2 VD6 VD12: library part 1N4148, "Fast Switching Diode, 100 V, 0.15 A, -65 to 150 degC, 2-Pin?SOD123, RoHS, Tape and Reel", If - Forward Current=0.15A, Ir - Reverse Current=1uA, Manufacturer=DiodesIncorporated, Max Surge Current=2A, Maximum Operating Temperature=+150C, Minimum Operating Temperature=-65C, Operating Temperature Range=-65Cto+150C, Package / Case=SOD-123, Package Reference=SOD123-2, Peak Reverse Voltage=100V, Vf - Forward Voltage=1.25V, Brand=DiodesIncorporated, Configuration=Single, Datasheet URL=http://www.farnell.com/datasheets/1915529.pdf, Datasheet Version="Rev. 24-2, 10/2013", Factory Pack Quantity=3000, Height=1.25mm, Length=2.85mm, Manufacturer URL=http://www.diodes.com/, Mounting Style=SMD/SMT, Package URL=http://www.diodes.com/datasheets/ds18004.pdf, Packaging=Reel, Product=SwitchingDiodes, Product Category=Diodes-GeneralPurpose,Power,Switching, Recovery Time=4ns, RoHS=True, Series=1N4148, Type=SwitchingDiode, Unit Weight=0.000353oz, Width=1.7mm
D7: library part CMP-02541-000026-1, "DIODE ZENER 8.2V 500MW DO35", Case/Package=DO-35, Max Operating Temperature=175°C, Max Power Dissipation=500mW, Max Reverse Leakage Current=100nA, Min Operating Temperature=-65°C, Package Quantity=30000, Test Current=5mA, Tolerance=2%, Zener Voltage=8.2V, Contact Plating=Tin, Element Configuration=Single, ESD Protection=No, Impedance=7R, Lead Free="Lead Free", Mount="Through Hole", Number of Pins=2, Packaging="Ammo Pack", Power Dissipation=500mW, Radiation Hardening=No, RoHS Compliant=Yes, Series="Automotive, AEC-Q101", Voltage Tolerance=2%
J1 J3 J4 J5: "WR-TBL Series 101 Horizontal Entry Modular, THT, pitch 5mm, 2p", Manufacturer="Wurth Elektronik", Operating Temperature Max=105°C, Operating Temperature Min=-40°C, Rated Current=16A, Working Voltage=250V, Application="Pressure Clamp", Category="Terminal Blocks", ComponentLink1Description="Website Link", ComponentLink1URL=https://www.we-online.com/redexpert/article/691101710002?ad, ComponentLink2Description="Datasheet Link", ComponentLink2URL=https://www.we-online.com/redexpert/spec/691101710002?ad, Manufacturer Part Number=691101710002, Match Code=WR-TBL, Modularity=Yes, Mount="Through Hole", Number of Pins=2, Number of Rows=1, Orientation=Horizontal, Packaging=Box, Pitch=5mm
J2: library part 691101710002, "WR-TBL Series 101 Horizontal Entry Modular, THT, pitch 5mm, 2p", Manufacturer="Wurth Elektronik", Operating Temperature Max=105°C, Operating Temperature Min=-40°C, Rated Current=16A, Working Voltage=250V, Application="Pressure Clamp", Category="Terminal Blocks", ComponentLink1Description="Website Link", ComponentLink1URL=https://www.we-online.com/redexpert/article/691101710002?ad, ComponentLink2Description="Datasheet Link", ComponentLink2URL=https://www.we-online.com/redexpert/spec/691101710002?ad, Manufacturer Part Number=691101710002, Match Code=WR-TBL, Modularity=Yes, Mount="Through Hole", Number of Pins=2, Number of Rows=1, Orientation=Horizontal, Packaging=Box, Pitch=5mm
K1: library part F1CA005V, "F1CA005V"
L1 L2 L3 L4: library part 744776012, "WE-PD2 SMT Power Inductor, size 1054, 1.2µH, 7.4A, 0.006Ω", Case/Size Code=1054, DC Resistance=0.004Ω, DC Resistance Max=0.006Ω, Inductance=1.2µH, Manufacturer="Wurth Elektronik", Operating Temperature Max=125°C, Operating Temperature Min=-40°C, Rated Current=7.4A, Saturation Current=11A, Self Resonant Frequency=110MHz, Category="Unshielded Power Inductors", ComponentLink1Description="Website Link", ComponentLink1URL=https://www.we-online.com/redexpert/article/744776012?ad, ComponentLink2Description="Datasheet Link", ComponentLink2URL=https://www.we-online.com/redexpert/spec/744776012?ad, Height=5.4mm, Length=10mm, Manufacturer Part Number=744776012, Match Code=WE-PD2, Mount="Surface Mount", Packaging="Tape and Reel", Width=9mm
P1 P2: "WR-WTB THT Male Vertical Locking Header, pitch 2.54mm, 3pins", Contact Resistance=20mΩ, Manufacturer="Wurth Elektronik", Operating Temperature Max=105°C, Operating Temperature Min=-40°C, Rated Current=3A, Withstanding Voltage=1000VAC, Working Voltage=250VAC, Category="Wire-to-Board Connectors", ComponentLink1Description="Website Link", ComponentLink1URL=https://www.we-online.com/redexpert/article/61900311121?ad, ComponentLink2Description="Datasheet Link", ComponentLink2URL=https://www.we-online.com/redexpert/spec/61900311121?ad, Gender=Male, Height=11.5mm, Length=7.62mm, Manufacturer Part Number=61900311121, Match Code=WR-WTB, Mount="Through Hole", Number of Pins=3, Number of Rows=1, Orientation=Vertical, Packaging=Bag, Pitch=2.54mm, Width=5.8mm
Q1: library part CMP-65434-000005-1, "OPTOISOLATOR 5KV TRANS 4SMD", Case/Package=SMD/SMT, Collector Emitter Saturation Voltage=200mV, Collector Emitter Voltage (VCEO)=80V, Forward Current=50mA, Forward Voltage=1.4V, Isolation Voltage=5kV, Max Operating Temperature=100°C, Max Power Dissipation=200mW, Min Operating Temperature=-30°C, Output Current per Channel=30mA, Package Quantity=2000, Reverse Breakdown Voltage=6V, Collector-emitter Voltage-Max=200mV, Contact Plating=Copper, Fall Time=18000ns, Input Current=50mA, Input Type=DC, Isolation Voltage-Max=5kV, Lead Free="Lead Free", Max Collector Current=50mA, Max Input Current=50mA, Max Output Voltage=80V, Mount="Surface Mount", Number of Channels=1, Number of Elements=1, Number of Pins=4, Output Voltage=80V, Packaging="Tape and Reel", Power Dissipation=200mW, Radiation Hardening=No, Rise Time=18000ns, RoHS Compliant=Yes
R1 R7 R8 R9 R11 R18 R19 R23 R24 R29 R33 R34 R37 R41 R44: library part RES-CONST
R16 R17: library part RES_1210
R20 R30: library part RES-CONST, "1K"
R21 R22 R42 R43: library part R2512, "Резистор SMD", Package=R-2512, Tolerance=5%, ComponentDescription="Резистор SMD, R-2512, *Ом, 5%", ComponentType="Резистор SMD"
R26: library part RES-CONST, "1-K"
R31 R32: library part RES-CONST, "10K"
RG1: library part LM7805CT, "REG IC REG LINEAR 5V 1A TO220AB", Current-Output=1A, Digikey Part Number=LM7805CT-ND, Manufacturer=Fairchild, Mouser Part Number=512-LM7805CT, Package=TO220, Temperature="-40°C to +125°C", Temperature Range High=+125°C, Temperature Range Low=-40°C, Voltage - Input (Max)=35V, Voltage - Output=5V, Voltage Dropout (Max)="2V @ 1A (Typ)", ComponentLink1Description=Upverter, ComponentLink1URL=https://upverter.com/upn/revision/b27a7358b7dd93a3/, ComponentLink2Description=Datasheet, ComponentLink2URL=https://www.fairchildsemi.com/datasheets/LM/LM7805.pdf, Digikey Description="REG IC REG LINEAR 5V 1A TO220AB", helpURL=https://upverter.com/upn/revision/b27a7358b7dd93a3/, Ipc Land Pattern Name=TO-220, Lead Free=yes, Part Number=LM7805CT, Price=0.384521982769, RoHS=TRUE, Supplier 1=Digi-Key, Supplier 2=Mouser, Supplier Part Number 1=LM7805CT-ND, Supplier Part Number 2=512-LM7805CT
TP1 TP2 TP3 TP4 TP7 TP9 TP10 TP11 TP12 TP13 TP14 TP16 TP17 TP18 TP19 TP20 TP21 TP22 TP23 TP24 TP25 TP30 TP32 TP33 TP36 TP37 TP38 TP39 TP43 TP44: library part TP_PCB?, "Test_Point"
U3: library part TL431_SOT-23-3, "TL431_SOT-23-3"
U4: library part CMP-1310-00291-2, "IC OPAMP GP 2 CIRCUIT 8SOIC", Case/Package=SOIC, Dual Supply Voltage=9V, Input Bias Current=250nA, Input Offset Voltage (Vos)=7mV, Max Dual Supply Voltage=16V, Max Operating Temperature=70°C, Max Supply Voltage=32V, Min Dual Supply Voltage=1.5V, Min Operating Temperature=0°C, Min Supply Voltage=3V, Nominal Supply Current=1.2mA, Operating Supply Current=1.5mA, Output Current=40mA, Package Quantity=2500, Power Supply Rejection Ratio (PSRR)=65dB, Voltage Gain=100dB, Bandwidth=1MHz, Common Mode Rejection Ratio=65dB, Contact Plating=Tin, Gain Bandwidth Product=1MHz, Halogen Free="Halogen Free", Height=1.5mm, Lead Free="Lead Free", Length=5mm, Number of Amplifiers=2, Number of Channels=2, Number of Circuits=2, Number of Elements=2, Number of Pins=8, Operating Supply Voltage=16V, Output Current per Channel=40mA, Packaging="Tape and Reel", Radiation Hardening=No, REACH SVHC="No SVHC", Slew Rate=0.6V/µs, Width=4mm
VT1 VT2: library part MOSFET-N-GDS

## Via types
v1: diameter 0.8, hole 0.4, Top Layer to Bottom Layer, tented both sides, 79 vias
v2: diameter 0.8, hole 0.5, Top Layer to Bottom Layer, tented both sides, 2 vias
v3: diameter 0.8, hole 0.3, Top Layer to Bottom Layer, tented both sides, 2 vias
v4: diameter 1.5, hole 1, Top Layer to Bottom Layer, tented both sides, 1 vias

## Nets (pads, with @x,y where several pads share a name; then routed paths per layer and width w, separated by ;. In a path a pad name is that pad's centre, name@x,y a point inside that pad or via, vN(x,y) a via of type N, cw(c..) or ccw(c..) an arc to the next point about the centre after c; other vN are vias at no path point)
+20V: C27.1 C38.2 J2.1 J3.1 L1.2 R24.2 R26.2 R29.2 R30.2 TP18.1 | length 107.2
  Top Layer w0.5: v3(192.239,37.702) 192.239,43.714 197.175,48.65 L1.2@197.175,64.8 ; L1.2@197.575,65.45 197.575,65.85 L1.2@197.575,66.025
  Top Layer w3: L1.2@197.075,65.85 197.575,65.85 C27.1@211.3,65.85 ; C27.1@211.425,65.975 215.125,62.275 TP18.1@215.125,41.725 ; TP18.1@215.125,41.591 J2.1@224.041,32.675 227.641,29.075 227.641,26.35 J3.1@224.041,22.75
  Bottom Layer w0.3: 216.2,61.775 216.276,61.85
  Bottom Layer w1: C27.1@211.425,65.975 215.55,61.85 ; C38.2@214.95,59.3 214.95,61.25 215.55,61.85 ; R29.2@218.775,61.85 216.276,61.85 215.55,61.85